# Allegro board parallella_gen1.brd (continued)
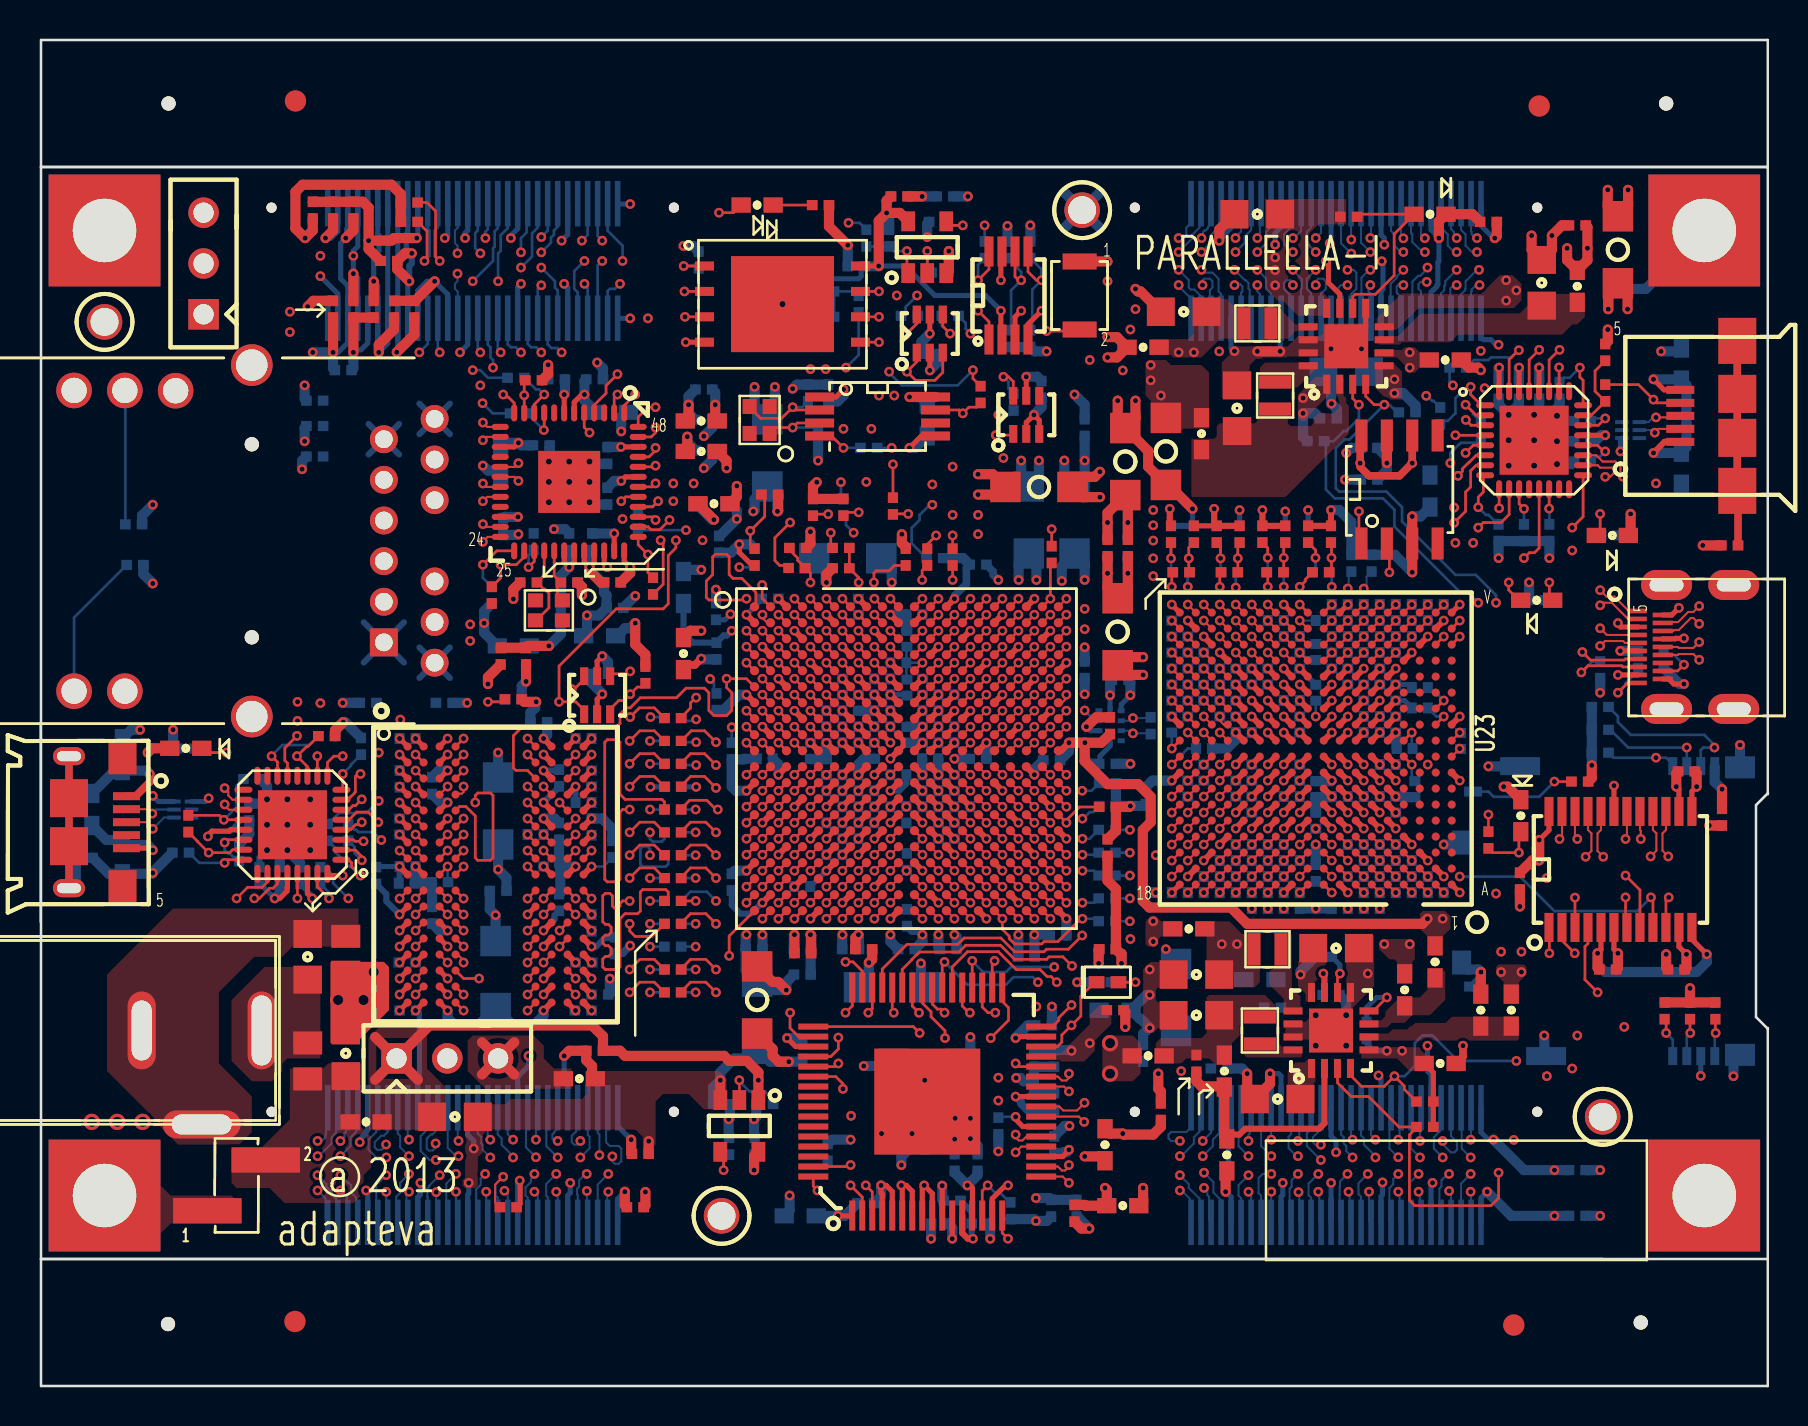
[diagram p0: board, top side]
## Routing (per net, layer and track width the routed paths; a pad name or vN(x,y) marks a point on that pad's centre or on a via; arc(x,y) is an arc through that point) (continued)
QSPI_IO_3: length 33.6
  TOP w0.133: U7.7 v1(41.96,54.74) ; U2.A6 v1(39.33,39.37)
  L3_SIG w0.108: v1(39.33,39.37) 39.33,39.51 38.94,39.91 38.94,40.75 36.38,43.31 36.38,44.97 36.12,45.23 35.72,45.23 35.61,45.33 35.61,45.77 35.72,45.87 37.65,45.87 37.77,46 37.77,46.86 37.65,46.99 34.09,46.99 33.96,47.12 33.96,48.26 34.09,48.39 38.03,48.39 38.41,48.77 38.41,49.26 39.69,50.55 39.69,51.31 41.52,53.14 41.52,54.3 v1(41.96,54.74)
  BOTTOM w0.133: v1(41.96,54.74) 41.16,54.74 R97.1 40.73,54.74 R52.2 R76.2
REG_EN1: length 114.7
  TOP w0.133: v1(72.95,10.67) 72.95,9.4 72.57,9.02 68.76,9.02 68.49,9.29 68.49,12.56 68.85,12.92 R276.1 67.97,12.95 66.45,14.48 65.59,14.48 64.89,15.17 U29.3
  L5_SIG w0.108: v1(72.95,10.67) 73.21,10.92 73.21,12.7 73.08,12.83 73.08,15.24 72.57,15.75 72.57,22.1 73.15,22.68 73.15,24.31 73.33,24.49 73.33,26.04 72.95,26.42 72.95,28.96 72.7,29.21 72.7,30.35 72.95,30.61 72.95,34.92 76.38,38.35 76.38,40.51 77.14,41.27 77.14,43.56 76.51,44.2 76.51,49.22 76.07,49.66 74.35,49.66 73.46,50.55 73.46,52.2 73.08,52.58 63.68,52.58 63.17,53.09 57.58,53.09 55.93,54.74 55.93,54.99 55.17,55.75 50.98,55.75 50.35,56.39 46.28,56.39 46.15,56.26 45.27,56.26 44.88,56.64 44.88,57.66 44.63,57.91 42.98,57.91 42.85,57.78 41.2,57.78 40.95,57.53 37.21,57.53 37.08,57.4 32.35,57.4 32.35,57.41 31.93,57.41 31.8,57.28 28.76,57.28 28.12,56.64 v1(28.12,56.26)
  BOTTOM w0.133: J13.5 27.89,56.03 v1(28.12,56.26)
REG_EN2: length 97.4
  TOP w0.133: v1(65.01,20.62) 64.89,20.51 U29.10
  L5_SIG w0.108: v1(73.08,21.72) 73.43,22.07 73.43,24.08 73.71,24.36 73.71,26.16 73.33,26.54 73.33,28.45 73.97,29.08 73.97,31.37 74.35,31.75 74.35,35.81 76.76,38.23 76.76,40.39 77.52,41.15 77.52,48.77 76.25,50.04 75.11,50.04 74.48,50.67 74.48,52.07 73.59,52.96 63.81,52.96 63.3,53.47 57.71,53.47 56.31,54.86 56.31,55.24 54.92,56.64 50.85,56.64 50.73,56.77 46.28,56.77 44.76,58.29 42.85,58.29 42.73,58.17 41.58,58.17 41.07,58.67 39.55,58.67 38.79,57.91 37.01,57.91 36.88,57.78 32.31,57.78 32.18,57.66 28.5,57.66 v1(28.12,57.28)
  L10_SIG w0.108: v1(65.01,20.62) 65.57,20.07 70.03,20.07 71.68,21.72 v1(73.08,21.72)
  BOTTOM w0.133: v1(28.12,57.28) 27.89,57.5 J13.6
  BOTTOM w0.254: R277.1 65.01,21.06 v1(65.01,20.62)
REG_EN3: length 113.7
  TOP w0.133: R280.1 68.23,14.84 68.23,15.01 v1(67.74,15.49) 67.24,14.99 66.09,14.99 65.54,15.53 U29.4
  L5_SIG w0.108: v1(27.23,55.12) 27.23,55.5 26.6,56.13 26.6,57.78 28.76,59.94 70.79,59.94 77.14,53.59 77.14,51.56 79.94,48.77 79.94,44.83 79.05,43.94 79.05,41.66 77.52,40.13 77.52,37.97 76.13,36.58 76.13,31.62 75.24,30.73 75.24,28.96 76.49,27.7 76.49,25.02 75.94,24.47 75.94,20.39 73.84,18.29 v1(73.84,16.26)
  BOTTOM w0.133: v1(73.84,16.26) 70.92,16.26 69.65,17.53 69.14,17.53 68.76,17.14 68.76,16 68.25,15.49 v1(67.74,15.49) ; v1(27.23,55.12) 27.39,54.96 J13.7
REG_EN4: length 103.4
  TOP w0.133: v1(67.36,19.43) 66.69,18.76 U29.8
  L5_SIG w0.108: v1(74.09,21.72) 74.73,22.35 74.73,24.13 75.36,24.77 75.49,24.77 75.87,25.15 75.87,25.78 75.6,26.05 75.6,27.83 74.86,28.58 74.86,30.99 75.49,31.62 75.49,36.45 77.14,38.1 77.14,40.26 78.67,41.78 78.67,44.07 79.57,44.97 79.57,48.01 77.16,50.42 75.75,50.42 75.49,50.67 75.49,52.07 74.22,53.34 64.06,53.34 63.55,53.85 61.27,53.85 60.38,54.74 60.38,57.53 60,57.91 56.06,57.91 55.17,57.02 50.98,57.02 50.85,57.15 46.41,57.15 44.5,59.05 42.85,59.05 42.73,59.18 39.42,59.18 38.53,58.29 36.76,58.29 36.63,58.17 32.31,58.17 32.06,57.91 31.04,57.91 30.91,58.04 27.87,58.04 v1(27.1,57.28)
  L10_SIG w0.108: v1(67.36,19.43) 70.16,19.43 71.94,21.21 73.59,21.21 v1(74.09,21.72)
  BOTTOM w0.133: v1(27.1,57.28) 27.39,57.57 J13.8
  BOTTOM w0.254: R283.1 66.35,18.92 66.86,19.43 v1(67.36,19.43)
RESET_N: length 25
  L3_SIG w0.108: v1(40.44,58.17) 39.42,59.18 33.71,59.18 32.44,57.91 30.79,57.91 30.28,58.42 22.41,58.42 21.77,57.78 21.77,56.9 v1(22.02,56.64)
  BOTTOM w0.133: J13.30 21.89,57.78 21.77,57.66 21.77,56.9 v1(22.02,56.64) ; R98.2 40.99,58.17 v1(40.44,58.17)
RXI_CCLK_N: length 26.4
  TOP w0.102: v1(48.94,33.77) U2.H17 ; U23.K1 v1(71.01,32.68)
  L8_SIG w0.095: v1(71.01,32.68) 69.51,32.68 69.01,32.18 57.33,32.18 56.82,32.69 56.57,32.69 55.16,34.1 53,34.1 52.78,34.32 52.78,34.78 52.57,34.99 51.5,34.99 51.5,34.98 49.59,34.98 49.34,34.73 49.34,34.36 49.16,34.18 48.71,34.18 48.57,34.04 48.57,33.84 48.64,33.77 v1(48.94,33.77)
RXI_CCLK_P: length 26.1
  TOP w0.102: U23.J1 v1(71.01,31.88) ; v1(48.14,33.77) U2.H16
  L8_SIG w0.095: v1(71.01,31.88) 70.51,32.37 69.64,32.37 69.14,31.88 57.2,31.88 56.7,32.38 56.44,32.38 55.03,33.79 52.88,33.79 52.49,34.17 52.09,34.17 52.08,34.16 49.57,34.16 49.33,33.91 49.33,33.53 49.33,33.53 49.16,33.36 48.54,33.36 v1(48.14,33.77)
RXI_EA_DATA0_N: length 8.3
  TOP w0.102: U2.A20 v1(51.34,39.37) ; U23.T18 v1(56.61,37.48)
  L3_SIG w0.095: v1(51.34,39.37) 51.58,39.61 52.21,39.61 53.77,38.05 56.24,38.05 56.4,37.89 56.91,37.89 57.03,37.77 57.03,37.6 56.91,37.48 v1(56.61,37.48)
RXI_EA_DATA0_P: length 8.8
  TOP w0.102: U2.B19 v1(50.54,38.57) ; U23.U18 v1(56.61,38.28)
  L3_SIG w0.095: v1(50.54,38.57) 50.94,38.98 50.94,39.53 51.33,39.92 52.34,39.92 53.9,38.35 56.53,38.35 v1(56.61,38.28)
RXI_EA_DATA1_N: length 10.5
  TOP w0.102: U2.B20 v1(51.34,38.57) ; U23.R17 v1(57.41,36.68)
  L5_SIG w0.095: v1(57.41,36.68) 57.02,36.29 56.32,36.29 56.09,36.53 55.68,36.53 55.3,36.91 53.9,36.91 53.24,36.25 51.87,36.25 51.55,36.56 51.17,36.56 50.94,36.79 50.94,38.06 51.23,38.35 51.23,38.47 v1(51.34,38.57)
RXI_EA_DATA1_P: length 10.2
  TOP w0.102: U2.C20 v1(51.34,37.77) ; U23.T17 v1(57.41,37.48)
  L5_SIG w0.095: v1(51.34,37.77) 51.34,38 51.63,38.29 51.81,38.29 51.87,38.23 51.87,38.1 51.77,38 51.77,36.78 52,36.55 53.11,36.55 53.77,37.21 55.43,37.21 55.81,36.83 56.01,36.83 56.26,37.09 57.33,37.09 57.46,37.21 57.46,37.43 v1(57.41,37.48)
RXI_EA_DATA2_N: length 9
  TOP w0.102: U2.D20 v1(51.34,36.97) ; U23.P16 v1(58.21,35.88)
  L10_SIG w0.095: v1(58.21,35.88) 58.21,36.09 58.03,36.27 56.24,36.27 56.06,36.45 56.06,36.7 55.98,36.78 55.82,36.78 55.69,36.91 52.78,36.91 52.43,36.55 52.09,36.55 51.67,36.97 v1(51.34,36.97)
RXI_EA_DATA2_P: length 9.3
  TOP w0.102: U23.R16 v1(58.21,36.68) ; U2.D19 v1(50.54,36.97)
  L10_SIG w0.095: v1(50.54,36.97) 50.95,37.38 52.59,37.38 52.76,37.21 55.82,37.21 55.95,37.08 57.58,37.08 57.99,36.68 v1(58.21,36.68)
RXI_EA_DATA3_N: length 11.8
  TOP w0.102: U2.E19 v1(50.54,36.17) ; U23.N15 v1(59.01,35.08)
  L8_SIG w0.095: v1(59.01,35.08) 59.25,35.08 59.38,34.95 59.38,34.82 59.24,34.67 56.37,34.67 56.19,34.85 56.19,35.05 56.09,35.15 55.84,35.15 55.49,34.8 54.85,34.8 53.65,36 51.72,36 51.5,35.78 50.93,35.78 v1(50.54,36.17)
RXI_EA_DATA3_P: length 11.5
  TOP w0.102: U23.P15 v1(59.01,35.88) ; U2.E18 v1(49.74,36.17)
  L8_SIG w0.095: v1(59.01,35.88) 58.6,35.47 55.72,35.47 55.36,35.1 54.98,35.1 53.77,36.31 51.81,36.31 51.54,36.57 50.14,36.57 v1(49.74,36.17)
RXI_EA_DATA4_N: length 10
  TOP w0.102: U23.P18 v1(56.61,35.88) ; U2.D18 v1(49.74,36.97)
  L3_SIG w0.095: v1(56.61,35.88) 56.88,35.88 57,36 57,36.17 56.88,36.29 56.44,36.29 56.36,36.37 56.19,36.37 55.51,37.06 52.98,37.06 52.48,36.55 51.5,36.55 51.5,36.56 50.37,36.56 50.37,36.55 49.83,36.55 49.68,36.7 49.68,36.92 v1(49.74,36.97)
RXI_EA_DATA4_P: length 9.9
  TOP w0.102: U2.E17 v1(48.94,36.17) ; U23.R18 v1(56.61,36.68)
  L3_SIG w0.095: v1(48.94,36.17) 49.33,36.56 49.33,37.11 49.57,37.36 55.63,37.36 56.31,36.68 v1(56.61,36.68)
RXI_EA_DATA5_N: length 8.6
  TOP w0.102: U23.N17 v1(57.41,35.08) ; U2.F20 v1(51.34,35.37)
  L5_SIG w0.095: v1(57.41,35.08) 57.41,34.79 57.3,34.69 56.34,34.69 56.16,34.87 56.16,35.03 56.01,35.18 55.83,35.18 55.42,34.77 54.94,34.77 54.54,35.18 51.87,35.18 51.67,34.98 51.44,34.98 51.34,35.08 v1(51.34,35.37)
RXI_EA_DATA5_P: length 8.8
  TOP w0.102: U23.P17 v1(57.41,35.88) ; U2.F19 v1(50.54,35.37)
  L5_SIG w0.095: v1(57.41,35.88) 57,35.47 56.39,35.47 56.37,35.48 55.7,35.48 55.3,35.08 55.07,35.08 54.66,35.48 51.84,35.48 51.55,35.77 50.94,35.77 v1(50.54,35.37)
RXI_EA_DATA6_N: length 12.9
  TOP w0.102: U23.M16 v1(58.21,34.28) ; U2.G18 v1(49.74,34.57)
  L10_SIG w0.095: v1(58.21,34.28) 58.21,34.15 58.32,34.04 58.55,34.04 58.62,34.1 58.62,34.55 58.48,34.69 56.32,34.69 56.16,34.85 56.16,35.05 56.05,35.16 55.92,35.16 55.55,34.8 54.92,34.8 54.79,34.92 54.71,34.92 54.7,34.93 54.51,34.93 53.59,35.86 51.82,35.86 51.74,35.78 50.39,35.78 50.14,35.53 50.14,35.01 49.95,34.81 49.95,34.78 v1(49.74,34.57)
RXI_EA_DATA6_P: length 12.9
  TOP w0.102: U23.N16 v1(58.21,35.08) ; U2.G17 v1(48.94,34.57)
  L10_SIG w0.095: v1(48.94,34.57) 49.34,34.98 49.34,36.33 49.57,36.56 51.57,36.56 51.96,36.16 53.98,36.16 55.04,35.1 55.43,35.1 55.79,35.47 57.82,35.47 v1(58.21,35.08)
RXI_EA_DATA7_N: length 11.7
  TOP w0.102: U2.G20 51.11,34.17 51.34,34.39 v1(51.34,34.57) ; U23.L15 59.2,33.08 59.01,33.27 v1(59.01,33.48)
  L3_SIG w0.095: v1(51.34,34.57) 51.64,34.57 52.12,35.05 52.5,35.05 52.76,34.8 52.76,34.47 53.13,34.1 55.11,34.1 55.17,34.04 55.17,34.04 55.43,34.04 55.55,34.16 55.81,34.16 55.93,34.04 55.93,33.91 55.81,33.78 55.68,33.78 55.62,33.72 55.62,33.59 55.81,33.39 56.13,33.39 56.19,33.45 56.19,33.68 56.38,33.87 58.92,33.87 59.01,33.78 v1(59.01,33.48)
RXI_EA_DATA7_P: length 11.9
  TOP w0.102: U2.G19 v1(50.54,34.57) ; U23.M15 v1(59.01,34.28)
  L3_SIG w0.095: v1(59.01,34.28) 59.42,33.87 59.42,33.23 59.28,33.09 55.69,33.09 54.98,33.79 53,33.79 52.62,34.17 50.93,34.17 v1(50.54,34.57)
RXI_EA_FRAME_N: length 13.5
  TOP w0.102: U2.G15 v1(47.34,34.57) ; U23.L17 v1(57.41,33.48)
  L5_SIG w0.095: v1(57.41,33.48) 57.02,33.09 55.55,33.09 55.17,33.47 55.17,33.6 54.98,33.79 54.28,33.79 53.87,33.38 47.17,33.38 46.94,33.61 46.94,34.18 v1(47.34,34.57)
RXI_EA_FRAME_P: length 13.1
  TOP w0.102: U2.H15 v1(47.34,33.77) ; U23.M17 v1(57.41,34.28)
  L5_SIG w0.095: v1(57.41,34.28) 57.46,34.23 57.46,34.04 57.31,33.89 56.43,33.89 56.19,33.64 56.19,33.53 56.05,33.39 55.68,33.39 55.48,33.6 55.48,33.73 55.11,34.1 54.16,34.1 53.74,33.68 52.86,33.68 52.76,33.78 52.76,33.92 52.5,34.17 47.37,34.17 47.26,34.07 47.26,33.84 v1(47.34,33.77)
RXI_EA_LCLK_N: length 10.4
  TOP w0.102: U23.M18 v1(56.61,34.28) ; U2.F17 v1(48.94,35.37)
  L3_SIG w0.095: v1(48.94,35.37) 48.92,35.37 48.8,35.24 48.8,35.09 48.92,34.96 51.5,34.96 51.72,35.18 51.72,35.2 51.73,35.21 51.73,35.37 52.12,35.76 53.95,35.76 55.19,34.53 56.36,34.53 v1(56.61,34.28)
RXI_EA_LCLK_P: length 10.5
  TOP w0.102: U2.F16 v1(48.14,35.37) ; U23.N18 v1(56.61,35.08)
  L3_SIG w0.095: v1(56.61,35.08) 56.36,34.83 55.32,34.83 54.08,36.07 52,36.07 51.71,35.78 48.54,35.78 v1(48.14,35.37)
RXI_NO_DATA0_N: length 23.5
  TOP w0.102: U23.A2 v1(70.21,24.68)
  L3_SIG w0.095: v1(71.55,9.72) 72.15,10.31 72.15,10.51 72.25,10.61 72.25,12.94 72.34,13.03 73.44,13.03 73.71,13.31 73.71,13.94 73.44,14.21 72.12,14.21 71.99,14.35 71.99,14.61 72.19,14.81 73.08,14.81 73.38,15.11 73.38,16 73.04,16.35 72.34,16.35 72.25,16.44 72.25,17.57 71.22,18.59 71.22,23.7 70.83,24.1 70.12,24.1 69.96,24.26 69.96,24.44 70.2,24.68 v1(70.21,24.68)
  BOTTOM w0.102: v1(71.55,9.72) 71.57,9.7 J8.3
RXI_NO_DATA0_P: length 23.8
  TOP w0.102: U23.A3 v1(69.41,24.68)
  L3_SIG w0.095: v1(69.41,24.68) 69.46,24.68 69.66,24.48 69.66,24.13 70,23.79 70.7,23.79 70.92,23.57 70.92,18.47 71.94,17.44 71.94,16.32 72.22,16.04 72.91,16.04 73.08,15.88 73.08,15.24 72.95,15.11 72.06,15.11 71.68,14.73 71.68,14.22 72,13.91 73.31,13.91 73.41,13.81 73.41,13.43 73.31,13.34 72.22,13.34 71.94,13.06 71.94,10.73 71.82,10.6 v1(71.55,10.6)
  BOTTOM w0.102: J8.5 71.07,10.12 v1(71.55,10.6)
RXI_NO_DATA1_N: length 24.2
  TOP w0.102: U23.B3 v1(69.41,25.48)
  L5_SIG w0.095: v1(69.41,25.48) 69.41,25.79 69.51,25.89 69.69,25.89 69.82,25.76 69.82,24.36 69.65,24.19 69.4,24.19 69.3,24.1 69.3,23.88 69,23.58 69,23.21 69.3,22.91 70.74,22.91 71.3,22.35 71.3,19.43 71.02,19.16 70.77,19.16 70.67,19.05 70.67,18.75 70.79,18.62 71.01,18.62 71.29,18.35 71.29,17.72 71.01,17.44 70.62,17.44 70.53,17.35 70.53,16.31 71.29,15.54 71.29,15.19 71.38,15.1 72.32,15.1 72.62,14.79 72.62,13.21 72.32,12.9 71.05,12.9 70.97,12.83 70.97,11.94 71.07,11.84 71.33,11.84 71.55,12.07 v1(71.55,12.32)
  BOTTOM w0.102: J8.4 71.57,12.34 v1(71.55,12.32)
RXI_NO_DATA1_P: length 24.3
  TOP w0.102: U23.B4 v1(68.61,25.48)
  L5_SIG w0.095: v1(68.61,25.48) 69,25.09 69,24 68.76,23.76 68.76,22.86 69.01,22.61 70.61,22.61 70.99,22.23 70.99,19.56 70.9,19.46 70.65,19.46 70.36,19.18 70.36,18.62 70.67,18.32 70.89,18.32 70.98,18.22 70.98,17.84 70.89,17.75 70.49,17.75 70.22,17.47 70.22,16.18 70.98,15.42 70.98,15.07 71.26,14.79 72.19,14.79 72.32,14.67 72.32,13.34 72.19,13.21 70.92,13.21 70.67,12.95 70.67,11.81 71.05,11.43 v1(71.55,11.43)
  BOTTOM w0.102: v1(71.55,11.43) 71.11,11.87 71.11,13.88 J8.6
RXI_NO_DATA2_N: length 23.2
  TOP w0.102: U23.C4 v1(68.61,26.28)
  L8_SIG w0.095: v1(70.48,9.75) 70.89,10.16 70.89,10.75 70.64,11 70.31,11 70.23,10.91 69.94,10.91 69.72,11.13 69.72,13.99 69.81,14.09 70.65,14.09 70.92,14.36 70.92,14.99 70.65,15.27 69.81,15.27 69.72,15.36 69.72,16.26 70.18,16.72 70.18,19.18 67.99,21.37 67.99,24.3 68.2,24.51 68.2,25.87 v1(68.61,26.28)
  BOTTOM w0.102: v1(70.48,9.75) 70.57,9.66 J8.7
RXI_NO_DATA2_P: length 23.1
  TOP w0.102: U23.C5 v1(67.81,26.28)
  L8_SIG w0.095: v1(70.47,10.6) 69.81,10.6 69.41,11.01 69.41,14.12 69.68,14.39 70.52,14.39 70.61,14.49 70.61,14.87 70.52,14.96 69.68,14.96 69.41,15.24 69.41,16.38 69.88,16.85 69.88,19.05 67.68,21.25 67.68,24.17 67.4,24.45 67.4,25.87 v1(67.81,26.28)
  BOTTOM w0.102: v1(70.47,10.6) 70.41,10.6 70.09,10.29 70.09,9.98 69.99,9.87 69.99,8.27 J8.9
RXI_NO_DATA3_N: length 24.3
  TOP w0.102: U23.D5 v1(67.81,27.08)
  L8_SIG w0.095: v1(70.16,12.26) 70.06,12.26 69.93,12.13 69.93,11.96 70.06,11.84 70.41,11.84 70.77,12.19 70.77,12.7 71.68,13.61 71.68,17.32 70.97,18.03 70.97,23.52 70.67,23.83 69.9,23.83 69.6,24.13 69.42,24.13 69.37,24.18 69.13,24.18 69,24.31 69,26.53 68.86,26.67 67.51,26.67 67.39,26.79 67.39,26.96 67.51,27.08 v1(67.81,27.08)
  BOTTOM w0.102: v1(70.16,12.26) 70.16,12.09 70.56,11.68 70.74,11.68 70.87,11.81 70.87,12.2 70.57,12.5 J8.8
RXI_NO_DATA3_P: length 24.1
  TOP w0.102: U23.D6 v1(67.01,27.08)
  L8_SIG w0.095: v1(67.01,27.08) 67.4,27.47 68.83,27.47 69.8,26.5 69.8,24.36 70.03,24.13 70.79,24.13 71.27,23.65 71.27,18.16 71.99,17.45 71.99,13.49 71.07,12.57 71.07,12.07 70.51,11.51 70.23,11.51 v1(70.16,11.43)
  BOTTOM w0.102: J8.10 70.03,13.87 70.03,12.76 69.71,12.44 69.71,11.87 v1(70.16,11.43)
RXI_NO_DATA4_N: length 23
  TOP w0.102: U23.A4 v1(68.61,24.68)
  L3_SIG w0.095: v1(68.61,24.68) 68.6,24.68 68.36,24.44 68.36,23.04 68.05,22.73 68.05,21.67 68.89,20.83 68.89,20.07 68.76,19.94 68.76,17.53 68.89,17.4 68.89,16.43 69.01,16.3 71.03,16.3 71.3,16.03 71.3,15.01 71.03,14.74 68.86,14.74 68.76,14.64 68.76,13.59 69.72,12.63 69.72,10.86 69.34,10.49 69.34,10.44 68.95,10.05 v1(68.95,9.72)
  BOTTOM w0.102: v1(68.95,9.72) 69.01,9.65 69.01,8.24 J8.13
RXI_NO_DATA4_P: length 23.1
  TOP w0.102: U23.A5 v1(67.81,24.68)
  L3_SIG w0.095: v1(67.81,24.68) 67.81,24.68 68.06,24.43 68.06,23.17 67.74,22.86 67.74,21.54 68.58,20.7 68.58,20.19 68.46,20.07 68.46,17.4 68.58,17.27 68.58,16.3 68.89,16 70.9,16 71,15.9 71,15.14 70.9,15.04 68.73,15.04 68.46,14.77 68.46,13.46 69.41,12.51 69.41,10.99 69.05,10.63 68.97,10.63 v1(68.95,10.6)
  BOTTOM w0.102: J8.15 68.51,8.25 68.51,10.16 v1(68.95,10.6)
RXI_NO_DATA5_N: length 23.4
  TOP w0.102: U23.B5 v1(67.81,25.48)
  L5_SIG w0.095: v1(69.02,12.26) 68.96,12.19 68.75,12.19 68.63,12.31 68.63,12.57 68.93,12.87 68.93,14.2 69.02,14.3 70.01,14.3 70.28,14.57 70.28,15.21 70.01,15.48 69.02,15.48 68.93,15.58 68.93,17.4 68.62,17.7 68.12,17.7 68.05,17.78 68.05,18.16 68.12,18.24 68.63,18.24 68.93,18.53 68.93,19.21 68.65,19.49 68.25,19.49 68.13,19.61 68.13,19.93 68.25,20.06 68.89,20.06 69.19,20.36 69.19,20.92 68.85,21.26 68.38,21.26 68.04,21.59 68.04,23.24 67.7,23.58 67.7,24.09 67.87,24.26 68.13,24.26 68.22,24.35 68.22,25.76 68.09,25.89 67.85,25.89 67.74,25.78 67.74,25.54 v1(67.81,25.48)
  BOTTOM w0.102: v1(69.02,12.26) 69.01,12.26 69.01,13.85 J8.14
RXI_NO_DATA5_P: length 23.7
  TOP w0.102: U23.B6 v1(67.01,25.48)
  L5_SIG w0.095: v1(67.01,25.48) 67.4,25.09 67.4,23.45 67.74,23.11 67.74,21.47 68.25,20.95 68.73,20.95 68.89,20.79 68.89,20.49 68.76,20.36 68.13,20.36 67.82,20.06 67.82,19.49 68.13,19.18 68.53,19.18 68.62,19.09 68.62,18.66 68.51,18.54 68,18.54 67.74,18.29 67.74,17.65 68,17.4 68.5,17.4 68.62,17.27 68.62,15.45 68.9,15.18 69.88,15.18 69.98,15.08 69.98,14.7 69.88,14.61 68.9,14.61 68.62,14.33 68.62,12.99 68.33,12.7 68.33,12.12 68.68,11.76 68.69,11.76 v1(69.02,11.43)
  BOTTOM w0.102: J8.16 68.57,11.88 v1(69.02,11.43)
RXI_NO_DATA6_N: length 22.6
  TOP w0.102: U23.C6 v1(67.01,26.28)
  L8_SIG w0.095: v1(67.01,26.28) 66.6,25.87 66.6,23.52 66.25,23.17 66.25,21.94 68.63,19.56 68.63,17.53 68.89,17.27 68.89,14.96 68.5,14.57 67.53,14.57 67.44,14.48 67.44,14.1 67.53,14 68.36,14 68.63,13.73 68.63,10.84 68.56,10.77 68.56,10.34 v1(67.93,9.72)
  BOTTOM w0.102: v1(67.93,9.72) 68,9.65 68,8.26 J8.17
RXI_NO_DATA6_P: length 22.5
  TOP w0.102: U23.C7 v1(66.21,26.28)
  L8_SIG w0.095: v1(66.21,26.28) 66.07,26.14 66.07,25.91 65.81,25.65 65.81,23.31 65.94,23.18 65.94,21.82 68.33,19.43 68.33,17.4 68.58,17.15 68.58,15.09 68.37,14.88 67.41,14.88 67.13,14.6 67.13,13.97 67.41,13.7 68.23,13.7 68.33,13.6 68.33,11 v1(67.93,10.6)
  BOTTOM w0.102: J8.19 67.49,8.27 67.49,9.9 67.68,10.09 67.68,10.35 v1(67.93,10.6)
RXI_NO_DATA7_N: length 22.7
  TOP w0.102: U23.D7 v1(66.21,27.08)
  L8_SIG w0.095: v1(67.93,12.32) 67.93,12.27 67.81,12.14 67.57,12.14 67.49,12.22 67.49,12.7 66.56,13.63 66.56,14.83 66.28,15.1 65.65,15.1 65.56,15.2 65.56,15.96 65.65,16.06 66.28,16.06 66.56,16.33 66.56,18.99 65.84,19.71 65.84,21.01 64.52,22.32 64.52,24.07 64.63,24.18 64.87,24.18 65,24.31 65,25.68 65.2,25.89 65.57,25.89 65.8,26.11 65.8,27.36 65.92,27.48 66.25,27.48 66.37,27.36 66.37,27.2 66.25,27.08 v1(66.21,27.08)
  BOTTOM w0.102: v1(67.93,12.32) 68,12.38 68,13.84 J8.18
RXI_NO_DATA7_P: length 22.7
  TOP w0.102: U23.D8 v1(65.41,27.08)
  L8_SIG w0.095: v1(65.41,27.08) 65.02,26.69 65.02,26.13 64.77,25.89 64.46,25.89 64.22,25.64 64.22,22.2 65.53,20.88 65.53,19.58 66.25,18.87 66.25,16.46 66.16,16.36 65.53,16.36 65.25,16.09 65.25,15.07 65.53,14.8 66.16,14.8 66.25,14.7 66.25,13.51 67.18,12.58 67.18,12.09 67.84,11.44 v1(67.93,11.44)
  BOTTOM w0.102: J8.20 67.49,13.83 67.49,11.87 67.92,11.44 v1(67.93,11.44)
RXI_NO_FRAME_N: length 24.5
  TOP w0.102: U23.B7 v1(66.21,25.48)
  L5_SIG w0.095: v1(66.79,12.32) 67.24,12.32 67.36,12.19 67.36,11.95 67.24,11.82 66.63,11.82 66.62,11.81 66.47,11.81 66.34,11.94 66.34,12.54 66.63,12.83 67.74,12.83 68.13,13.21 68.13,14.73 67.87,14.99 67.24,14.99 66.98,14.73 66.98,14.1 66.78,13.89 66.35,13.89 66.22,14.02 66.22,14.3 66.54,14.62 66.54,19.3 67.22,19.99 67.22,21.15 65.71,22.66 65.71,23.5 65.84,23.62 65.95,23.62 v1(66.21,23.88) 66.22,23.88 66.62,24.27 66.62,25.13 66.27,25.48 v1(66.21,25.48)
  BOTTOM w0.102: J8.24 66.57,12.54 v1(66.79,12.32)
RXI_NO_FRAME_P: length 24.3
  TOP w0.102: U23.B8 v1(65.41,25.48)
  L5_SIG w0.095: v1(66.79,11.43) 66.55,11.43 66.47,11.51 66.34,11.51 66.04,11.81 66.04,12.67 66.5,13.13 67.62,13.13 67.82,13.33 67.82,14.61 67.74,14.68 67.36,14.68 67.29,14.61 67.29,13.97 66.91,13.59 66.22,13.59 65.91,13.89 65.91,14.43 66.23,14.74 66.23,19.43 66.92,20.12 66.92,21.02 65.41,22.53 v1(65.41,23.88) 65.8,24.27 65.8,25.06 65.41,25.45 v1(65.41,25.48)
  BOTTOM w0.102: J8.26 66.07,12.53 66.22,12.38 66.22,12.07 66.79,11.49 v1(66.79,11.43)
RXI_NO_LCLK_N: length 22.6
  TOP w0.102: U23.A6 v1(67.01,24.68)
  L3_SIG w0.095: v1(67.01,24.68) 66.6,24.27 66.6,23.62 66.27,23.29 66.27,22.22 66.35,22.15 66.46,22.15 66.76,21.84 66.76,21.48 66.85,21.39 67.24,21.39 67.54,21.08 67.54,20.32 67.24,20.01 67.11,20.01 67.03,19.94 67.03,19.7 66.73,19.39 66.24,19.39 66.14,19.3 66.14,18.92 66.24,18.82 66.6,18.82 66.91,18.52 66.91,16.94 66.6,16.64 66.22,16.64 66.09,16.51 66.09,15.16 66.22,15.04 67.24,15.04 67.54,14.74 67.54,14.09 67.16,13.72 67.16,13.08 67.54,12.7 67.54,10.02 67.23,9.72 v1(66.47,9.72)
  BOTTOM w0.102: v1(66.47,9.72) 66.47,8.28 J8.23
RXI_NO_LCLK_P: length 22.6
  TOP w0.102: U23.A7 v1(66.21,24.68)
  L3_SIG w0.095: v1(66.41,10.6) 67.11,10.6 67.23,10.73 67.23,12.57 66.86,12.95 66.86,13.84 67.23,14.22 67.23,14.61 67.11,14.73 66.09,14.73 65.79,15.04 65.79,16.64 66.09,16.94 66.47,16.94 66.6,17.07 66.6,18.39 66.47,18.52 66.11,18.52 65.84,18.79 65.84,19.43 66.11,19.7 66.6,19.7 66.73,19.83 66.73,20.07 66.98,20.32 67.11,20.32 67.24,20.45 67.24,20.95 67.11,21.08 66.73,21.08 66.46,21.35 66.46,21.72 66.33,21.84 66.22,21.84 65.97,22.1 65.97,23.47 65.82,23.62 65.82,24.29 v1(66.21,24.68)
  BOTTOM w0.102: J8.25 66.07,9.47 65.95,9.59 65.95,10.14 v1(66.41,10.6)
RXI_SO_DATA0_N: length 24.6
  TOP w0.102: U23.V3 v1(69.41,39.08)
  L3_SIG w0.095: v1(72,55.05) 72,55.3 72.13,55.42 72.39,55.42 72.52,55.3 72.52,54.25 69.85,51.59 69.85,46.68 69.66,46.48 69.66,45.62 69.9,45.37 69.9,41.58 70.18,41.3 71.38,41.3 71.48,41.21 71.48,40.83 71.38,40.73 70.18,40.73 69.9,40.46 69.9,39.33 69.82,39.24 69.82,38.92 69.82,38.91 69.82,38.84 69.7,38.71 69.55,38.71 69.42,38.84 69.42,39.07 v1(69.41,39.08)
  BOTTOM w0.102: J9.3 71.57,54.71 71.6,54.74 71.6,54.84 71.82,55.05 v1(72,55.05)
RXI_SO_DATA0_P: length 24.8
  TOP w0.102: U23.V2 v1(70.21,39.08)
  L3_SIG w0.095: v1(70.21,39.08) 70.21,39.2 70.21,40.33 70.3,40.43 71.51,40.43 71.78,40.7 71.78,41.33 71.51,41.61 70.3,41.61 70.21,41.7 70.21,45.5 69.96,45.75 69.96,46.35 70.16,46.55 70.16,51.46 72.82,54.13 72.82,55.42 72.52,55.73 72.09,55.73 72,55.82 v1(71.97,55.82)
  BOTTOM w0.102: v1(71.97,55.82) 71.87,55.82 71.36,55.31 71.36,55.3 71.3,55.24 71.3,54.87 71.27,54.84 71.27,54.78 71.07,54.59 J9.5
RXI_SO_DATA1_N: length 24
  TOP w0.102: U23.U4 v1(68.61,38.28)
  L8_SIG w0.095: v1(68.61,38.28) 69,38.67 69,39.33 69.28,39.61 69.28,46.23 69.85,46.8 69.85,51.89 72.57,54.61 72.57,55.77 72.13,56.21 71.82,56.21 71.48,56.54 71.48,57.01 v1(71.87,57.4)
  BOTTOM w0.102: J9.4 71.57,57.75 71.6,57.71 71.6,57.59 71.8,57.4 v1(71.87,57.4)
RXI_SO_DATA1_P: length 24
  TOP w0.102: U23.U3 v1(69.41,38.28)
  L8_SIG w0.095: v1(69.41,38.28) 69.8,38.67 69.8,39.4 69.59,39.61 69.59,46.1 70.16,46.67 70.16,51.77 72.87,54.48 72.87,55.9 72.26,56.51 72.07,56.51 v1(71.87,56.71)
  BOTTOM w0.102: v1(71.87,56.71) 71.62,56.71 71.3,57.02 71.3,57.59 71.07,57.82 J9.6
RXI_SO_DATA2_N: length 24.7
  TOP w0.102: U23.T5 v1(67.81,37.48)
  L8_SIG w0.095: v1(70.86,55.05) 70.86,55.26 70.96,55.37 71.18,55.37 71.3,55.24 71.3,54.92 69.09,52.7 69.09,50.67 68.25,49.83 68.25,49.26 67.94,48.95 67.94,42.76 67.84,42.66 67.51,42.66 67.24,42.39 67.24,41.76 67.51,41.48 67.84,41.48 67.94,41.39 67.94,40.55 67.68,40.3 67.68,39.61 67.4,39.33 67.4,37.18 67.52,37.06 67.69,37.06 67.81,37.18 v1(67.81,37.48)
  BOTTOM w0.102: J9.7 70.54,53.43 70.54,54.89 70.7,55.05 v1(70.86,55.05)
RXI_SO_DATA2_P: length 24.9
  TOP w0.102: U23.T4 v1(68.61,37.48)
  L8_SIG w0.095: v1(70.86,55.82) 71.24,55.82 71.61,55.45 71.61,54.79 69.4,52.58 69.4,50.55 68.56,49.71 68.56,49.14 68.24,48.82 68.24,42.63 67.97,42.36 67.64,42.36 67.54,42.26 67.54,41.88 67.64,41.79 67.97,41.79 68.24,41.51 68.24,40.43 67.99,40.17 67.99,39.56 68.22,39.33 68.22,37.87 v1(68.61,37.48)
  BOTTOM w0.102: v1(70.86,55.82) 70.28,55.24 70.28,55.07 70.23,55.02 70.23,54.8 70.07,54.64 J9.9
RXI_SO_DATA3_N: length 25.5
  TOP w0.102: U23.R6 v1(67.01,36.68)
  L10_SIG w0.095: v1(67.01,36.68) 67.42,37.09 67.97,37.09 68.22,37.33 68.22,37.64 68.45,37.87 68.75,37.87 69,38.12 69,39.42 69.13,39.55 69.37,39.55 69.49,39.67 69.49,40.01 69.85,40.37 69.85,45.85 69.84,45.86 69.84,46.44 69.85,46.45 69.85,56.64 70.45,57.24 70.69,57.24 v1(70.86,57.4)
  BOTTOM w0.102: J9.8 70.57,57.86 70.72,57.71 70.72,57.54 v1(70.86,57.4)
RXI_SO_DATA3_P: length 25.5
  TOP w0.102: U23.R5 v1(67.81,36.68)
  L10_SIG w0.095: v1(70.86,56.71) 70.79,56.77 70.41,56.77 70.16,56.52 70.16,46.32 70.15,46.31 70.15,45.99 70.16,45.98 70.16,40.25 69.8,39.89 69.8,38.12 69.57,37.89 69.26,37.89 69,37.62 69,37.32 68.75,37.07 68.39,37.07 68.1,36.78 67.91,36.78 v1(67.81,36.68)
  BOTTOM w0.102: J9.10 70.07,57.93 70.41,57.59 70.41,57.02 70.73,56.71 v1(70.86,56.71)
RXI_SO_DATA4_N: length 24.9
  TOP w0.102: U23.V5 v1(67.81,39.08)
  L3_SIG w0.095: v1(69.36,55.21) 69.44,55.3 69.78,55.3 69.9,55.17 69.9,53.01 69.09,52.2 69.09,50.55 68.46,49.91 68.46,49.07 67.94,48.55 67.94,45.38 68.21,45.11 68.87,45.11 68.96,45.01 68.96,44.63 68.87,44.54 68.21,44.54 67.94,44.26 67.94,42.69 68.21,42.42 68.92,42.42 69.01,42.32 69.01,41.94 68.92,41.85 68.21,41.85 67.94,41.57 67.94,40.17 68.25,39.86 68.25,39.27 68.22,39.24 68.22,38.8 68.1,38.68 67.94,38.68 67.82,38.8 67.82,39.07 v1(67.81,39.08)
  BOTTOM w0.102: v1(69.36,55.21) 69.06,55.21 68.95,55.1 68.95,54.86 69.07,54.74 J9.13
RXI_SO_DATA4_P: length 25.1
  TOP w0.102: U23.V4 v1(68.61,39.08)
  L3_SIG w0.095: v1(69.4,55.93) 69.73,55.6 69.9,55.6 70.21,55.3 70.21,52.88 69.4,52.07 69.4,50.42 68.76,49.78 68.76,48.95 68.24,48.43 68.24,45.51 68.34,45.41 68.99,45.41 69.27,45.14 69.27,44.51 68.99,44.23 68.34,44.23 68.24,44.14 68.24,42.82 68.34,42.72 69.05,42.72 69.32,42.45 69.32,41.82 69.05,41.54 68.34,41.54 68.24,41.45 68.24,40.3 68.56,39.99 68.56,39.1 68.58,39.08 v1(68.61,39.08)